# Altium PCB SAMR21_Xplained_Pro.PcbDoc (part 2 of 3)
Units mm, origin at the board's own origin, x right, y up, seen from the top; angles counter-clockwise.
Board outline 60 x 60 mm, 4 copper layers (Top Layer LF-signals, GND, POWER, Bottom Layer LF-signals), stack 1.602 mm thick; 154 components, 128 nets, 621 pads, 397 vias.
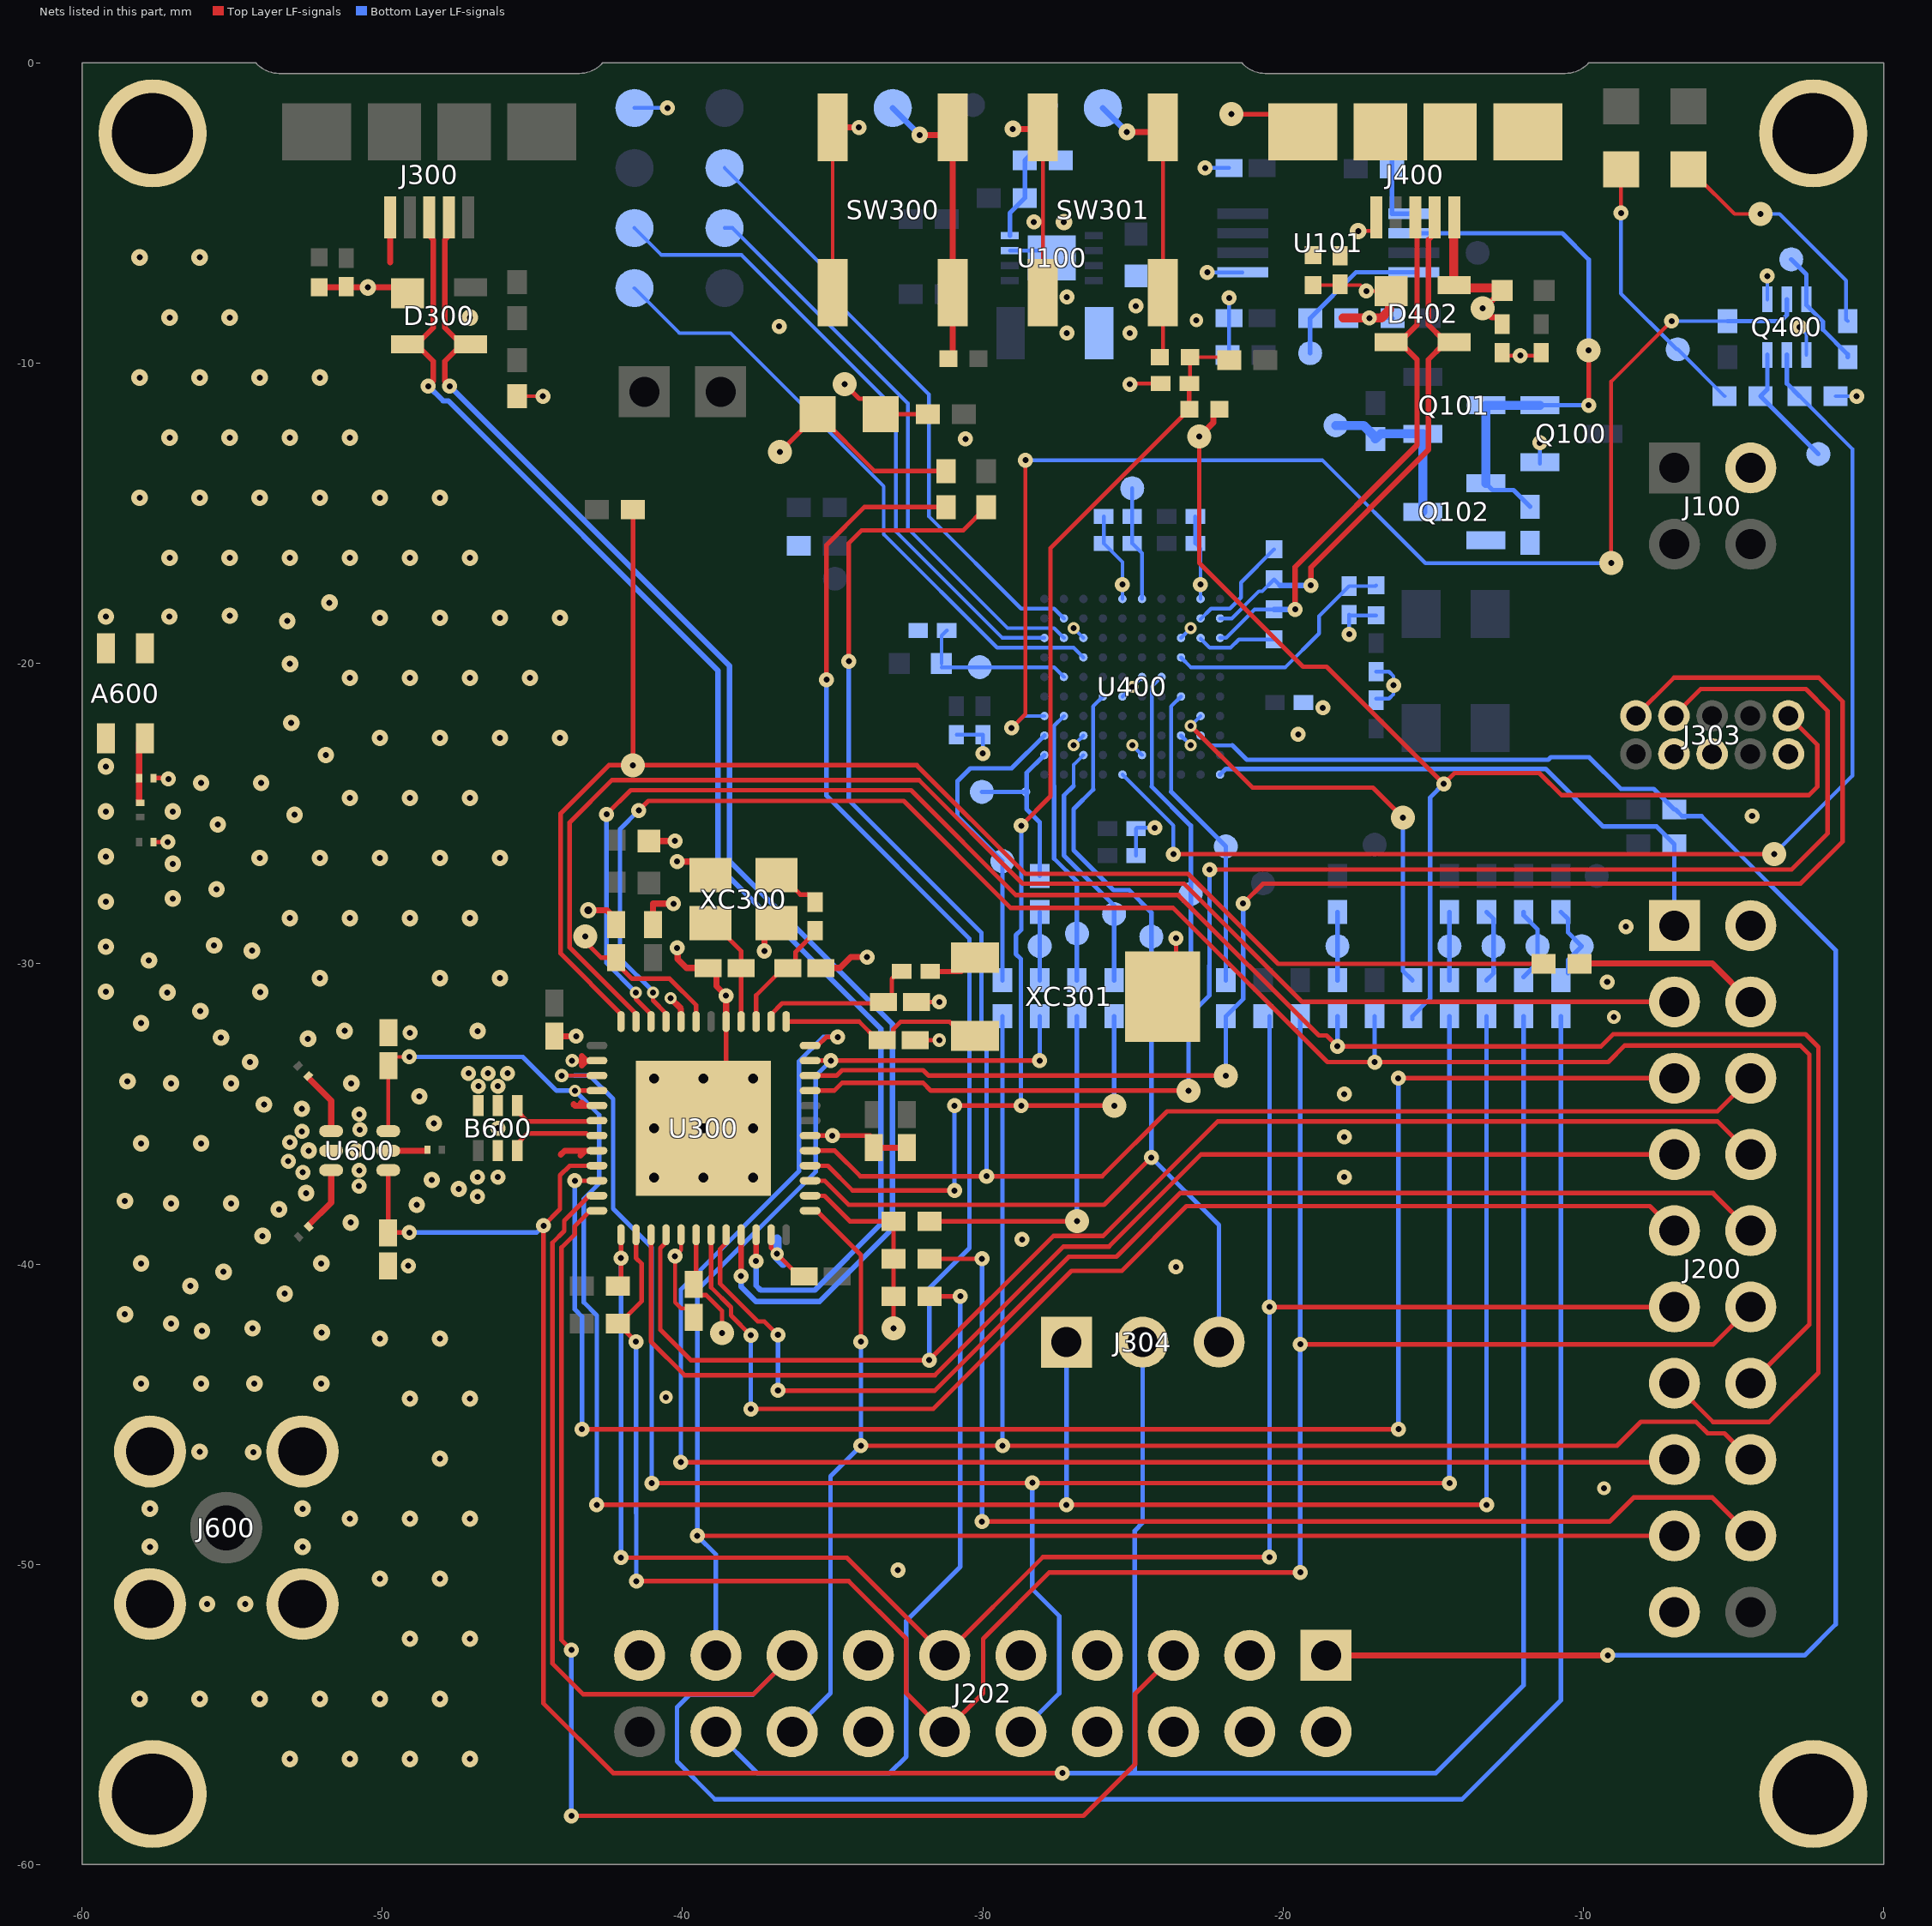
[diagram p4: the nets of this part, all layers, seen from the top]

## Via types
v1: diameter 0.5, hole 0.2, Top Layer LF-signals to Bottom Layer LF-signals, 155 vias
v2: diameter 0.55, hole 0.2, Top Layer LF-signals to Bottom Layer LF-signals, 108 vias
v3: diameter 0.55, hole 0.2, Top Layer LF-signals to Bottom Layer LF-signals, tented both sides, 50 vias
v4: diameter 0.5/0.8 (per signal layer), hole 0.2, Top Layer LF-signals to Bottom Layer LF-signals, tented top, 28 vias
v5: diameter 0.4, hole 0.2, Top Layer LF-signals to Bottom Layer LF-signals, 20 vias
v6: diameter 0.762, hole 0.33, Top Layer LF-signals to Bottom Layer LF-signals, tented top, 9 vias
v7: diameter 0.45, hole 0.2, Top Layer LF-signals to Bottom Layer LF-signals, 9 vias
v8: diameter 0.55, hole 0.2, Top Layer LF-signals to Bottom Layer LF-signals, tented top, 7 vias
v9: diameter 0.5, hole 0.2, Top Layer LF-signals to Bottom Layer LF-signals, tented both sides, 6 vias
v10: diameter 0.55, hole 0.25, Top Layer LF-signals to Bottom Layer LF-signals, tented both sides, 3 vias
v11: diameter 0.5, hole 0.2, Top Layer LF-signals to Bottom Layer LF-signals, tented top, 2 vias

## Nets (pads, with @x,y where several pads share a name; then routed paths per layer and width w, separated by ;. In a path a pad name is that pad's centre, name@x,y a point inside that pad or via, vN(x,y) a via of type N, cw(c..) or ccw(c..) an arc to the next point about the centre after c; other vN are vias at no path point) (continued)
EDBG_JTAG_TDI: TP403.1 U400.K8 | length 21.7
  Bottom Layer LF-signals w0.125: TP403.1@-41.6,-5.5 -40.7,-6.4 -38.034,-6.4 -32.9,-11.534 -32.9,-15.6 -29.35,-19.15 U400.K8@-27.95,-19.15
EDBG_JTAG_TDO: TP404.1 U400.J8 | length 19.4
  Bottom Layer LF-signals w0.125: TP404.1@-38.6,-5.5 -38.336,-5.5 -32.5,-11.336 -32.5,-15.5 -29.175,-18.825 -27.625,-18.825 U400.J8@-27.3,-19.15
EDBG_JTAG_TMS: TP405.1 U400.H7 | length 21
  Bottom Layer LF-signals w0.125: TP405.1@-41.6,-7.5 -40.1,-9 -38.4,-9 -33.3,-14.1 -33.3,-15.7 -29.525,-19.475 -26.975,-19.475 U400.H7@-26.65,-19.8
EDBG_RESET_N: TP406.1 U400.J9 | length 20.3
  Bottom Layer LF-signals w0.125: TP406.1@-38.6,-3.5 -35.075,-7.025 -35.075,-7.761 -31.8,-11.036 -31.8,-15.1 -28.725,-18.175 -27.625,-18.175 U400.J9@-27.3,-18.5
EDBG_SPI_DGI_MISO: pad.0@-28.571,-24.275 pad.0@-30.029,-24.275 R420.1 U400.K2 | length 5.9
  Bottom Layer LF-signals w0.15: pad.0@-30.029,-24.275 pad.0@-28.571,-24.275 ; R420.1@-28.106,-27.075 -28.106,-25.287 -28.542,-24.85 -28.542,-23.642 U400.K2@-27.95,-23.05
EDBG_SPI_DGI_MOSI: pad.0@-29.345,-26.585 R312.1 U400.K3 | length 10.8
  Bottom Layer LF-signals w0.15: R312.1@-29.345,-30.551 pad.0@-29.345,-26.585 -30.843,-25.087 -30.843,-23.917 -30.419,-23.492 -29.042,-23.492 U400.K3@-27.95,-22.4
EDBG_SPI_DGI_SCK: pad.0@-26.866,-28.994 R311.1 U400.J4 | length 9.2
  Bottom Layer LF-signals w0.125: -27.625,-24.081 -27.625,-22.075 U400.J4@-27.3,-21.75
  Bottom Layer LF-signals w0.15: -27.625,-24.081 -27.625,-26.499 -26.866,-27.258 R311.1@-26.866,-30.551
EDBG_SPI_DGI_SS: pad.0@-24.387,-29.098 R310.1 U400.G5 | length 11.2
  Bottom Layer LF-signals w0.125: -26.325,-24.2 -26.325,-21.425 U400.G5@-26,-21.1
  Bottom Layer LF-signals w0.15: -26.325,-24.2 -26.975,-24.85 -26.975,-26.222 -25.647,-27.55 -25.128,-27.55 -24.387,-28.291 pad.0@-24.387,-29.098 R310.1@-24.387,-30.551
EDBG_USB_FS_N: R421.2 U400.B9 | length 3.7
  Bottom Layer LF-signals w0.125: U400.B9@-22.751,-18.524 -22.402,-18.175 -21.775,-18.175 -21.4,-17.8 -21.4,-17.3 R421.2@-20.3,-16.2
EDBG_USB_FS_P: R422.2 U400.B8 | length 2.7
  Bottom Layer LF-signals w0.125: U400.B8@-22.751,-19.174 -22.448,-19.476 -21.751,-19.476 -21.475,-19.2 R422.2@-20.3,-19.2
EDBG_USB_HS_N: D402.3 J400.2 R421.1 U400.A9 | length 18.8
  Top Layer LF-signals w0.15: D402.3@-14.682,-9.4 -14.591,-9.309 D402.3@-14.582,-9.3
  Top Layer LF-signals w0.18: v1(-19.075,-17.4) -19.075,-16.799 -15.16,-12.884 -15.16,-9.878 D402.3@-14.682,-9.4 ; J400.2@-14.95,-5.15 -14.95,-5.68 -15.16,-5.89 -15.16,-8.722 D402.3@-14.682,-9.2
  Top Layer LF-signals w0.2: D402.3@-14.761,-9.4 -14.682,-9.4 D402.3@-14.5,-9.4 ; D402.3@-14.591,-9.309 D402.3@-14.5,-9.4 ; D402.3@-14.3,-9.3 D402.3@-14.4,-9.4 ; D402.3@-14.2,-9.4 D402.3@-14.4,-9.4 ; D402.3@-14.5,-9.4 D402.3@-14.4,-9.4
  Bottom Layer LF-signals w0.125: U400.A9@-22.1,-18.5 -21.71,-18.5 -20.805,-17.595 -20.695,-17.595 R421.1@-20.3,-17.2 R421.1@-20.1,-17.4
  Bottom Layer LF-signals w0.18: R421.1@-20.1,-17.4 v1(-19.075,-17.4)
EDBG_USB_HS_P: D402.2 J400.3 R422.1 U400.A8 | length 17.9
  Top Layer LF-signals w0.18: v1(-19.6,-18.2) -19.6,-16.787 -15.54,-12.727 -15.54,-9.878 D402.2@-16.018,-9.4 ; D402.2@-16.018,-9.2 -15.54,-8.722 J400.3@-15.54,-5.531
  Top Layer LF-signals w0.2: D402.2@-16.4,-9.3 D402.2@-16.01,-9.3
  Bottom Layer LF-signals w0.125: U400.A8@-22.1,-19.15 -21.9,-19.15 -20.95,-18.2 R422.1@-20.3,-18.2 ; v1@-19.7,-18.2 v1(-19.6,-18.2)
  Bottom Layer LF-signals w0.18: R422.1@-20.3,-18.2 v1(-19.6,-18.2)
GND: A600.2 A600.3 A600.4 B600.2 B600.5 B600.6 C100.2 C101.2 C102.2 C103.2 C300.1 C301.2 C302.1 C303.2 C304.2 C305.1 C306.2 C307.2 C308.2 C309.2 C310.2 C311.2 C312.2 C314.2 C400.2 C401.2 C402.2 C403.1 C404.2 C405.2 C406.2 C407.2 C408.2 C409.2 C410.2 C411.2 C412.2 C413.2 C414.2 C415.2 C600.1 C601.1 C605.2 C606.2 D300.1 D402.1 J100.2@-4.43,-13.49 J200.2@-4.43,-28.73 J200.19@-6.97,-51.59 J202.2@-18.57,-55.57 J202.19@-41.43,-53.03 J300.5 J303.3 J303.5 J303.9 J400.5 J600.2.1 J600.2.2 J600.2.3 J600.2.4 pad.666 Q100.1 Q102.2 Q400.1 Q400.4 R100.2 R104.1 R105.1 R106.1 R107.1 R110.1 R305.1 R330.1 R413.1 R423.1 R424.1 SW300.1 SW300.2 SW301.1 SW301.2 TP400.1 U100.7 U100.9 U101.5 U300.5 U300.8 U300.14 U300.17 U300.20 U300.29 U300.35 U300.42 U300.49 U400.B10 U400.C3 U400.C8 U400.E2 U400.E6 U400.F5 U400.F10 U400.H3 U400.H8 U600.2 XC300.2 XC300.4 XC301.3 | length 87.1
  Top Layer LF-signals w0.125: R330.1@-45.51,-11.1 v1(-44.65,-11.1) ; U300.29@-40.05,-39.025 -40.05,-39.535 v1(-40.25,-39.735) -40.25,-41.275 -40.05,-41.475 C304.2@-39.9,-41.475 ; SW300.1@-35,-7.65 SW300.2@-35,-2.15 ; SW301.1@-28,-7.65 SW301.2@-28,-2.15 ; v1(-25.1,-10.7) -25.075,-10.675 C301.2@-24.075,-10.675 ; R424.1@-19,-7.4 -17.425,-7.4 v1(-17.225,-7.6) D402.1@-16.4,-7.6 D402.1@-16.55,-7.45 ; v2(-17.5,-5.6) -17.5,-5.647 -17.547,-5.6 J400.5@-16.914,-5.6 ; C407.2@-12.8,-9.75 C408.2@-11.4,-9.75
  Top Layer LF-signals w0.15: C601.1@-57.612,-23.817 -57.148,-23.817 v11(-57.122,-23.843) ; C600.1@-57.609,-25.947 v11(-57.14,-25.947) ; v9@-49.134,-40.057 -49.236,-40.057 -49.13,-40.057 v9@-49.128,-40.059 ; v6(-39.3,-35.475) -38.55,-34.725 U300.5@-38.55,-31.925 ; U300.35@-37.05,-39.025 -37.05,-39.47 -36.106,-40.414 C303.2@-35.944,-40.414 ; U300.42@-35.75,-35.725 -33.75,-35.725 C314.2@-33.625,-35.85 ; C310.2@-32.25,-32.546 v7(-31.45,-32.546) ; C309.2@-32.203,-31.271 v1(-31.45,-31.271) ; XC301.3@-24.016,-31.096 -23.567,-30.647 v1(-23.567,-29.15)
  Top Layer LF-signals w0.2: R305.1@-52.1,-7.478 v8(-50.475,-7.478) -49.441,-7.478 D300.1@-49.4,-7.437 ; -49.734,-6.65 J300.5@-49.734,-5.15 ; v7(-43.675,-33.225) U300.14@-42.85,-33.225 U300.14@-43.193,-33.225 ; -43.4,-36.385 -43.239,-36.225 U300.20@-42.85,-36.225 ; -43.38,-34.63 -43.348,-34.628 -43.239,-34.725 U300.17@-42.85,-34.725 ; -43.35,-33.382 U300.14@-43.193,-33.225 ; -43.35,-33.068 U300.14@-43.193,-33.225 ; SW300.2@-35,-2.15 v1(-34.125,-2.15) ; v2(-29,-2.2) -28.05,-2.2 SW301.2@-28,-2.15
  Top Layer LF-signals w0.203: C308.2@-44.275,-32.489 C308.2@-44.191,-32.406 ; C308.2@-44.26,-32.413 v1(-43.542,-32.413) ; -44.058,-36.356 -43.927,-36.225 -43.239,-36.225 ; -43.63,-34.68 -43.585,-34.725 -43.239,-34.725 ; v10(-43.14,-28.216) -42.516,-28.216 -42.206,-28.525 C307.2@-42.206,-28.698 ; C306.2@-41.122,-25.912 v9(-40.25,-25.912) v9@-40.175,-25.838 ; C311.2@-40.979,-28.692 -40.979,-27.998 v9(-40.303,-27.998) ; v5(-40.396,-31.151) -40.05,-31.497 U300.8@-40.05,-31.925 ; v9@-40.25,-29.388 -40.164,-29.474 -40.164,-29.843 -39.867,-30.139 C305.1@-39.15,-30.139 -38.866,-30.139 -38.866,-30.746 v1(-38.55,-31.062) U300.5@-38.55,-31.925 ; v9@-40.18,-26.598 XC300.2@-39.579,-26.598 ; v1@-37.273,-29.575 -37.273,-29.049 XC300.4@-36.872,-28.648 XC300.4@-37.049,-28.648 ; C300.1@-35.394,-30.139 -34.756,-30.139 -34.395,-29.778 v1(-33.853,-29.778) ; C314.2@-33.625,-36.125 C312.2@-32.532,-36.125
  Top Layer LF-signals w0.3: -18,-8.5 v1(-17.125,-8.5) -16.738,-8.5 -16.462,-8.225 -16.462,-7.662 D402.1@-16.4,-7.6
  Bottom Layer LF-signals w0.125: TP400.1@-41.6,-1.5 v1(-40.5,-1.5) ; C414.2@-30.875,-22.375 C413.2@-30,-22.375 v1(-30,-23) ; U100.7@-29.1,-6.25 U100.9@-27.95,-6.25 ; v5(-26.975,-22.725) U400.H3@-26.65,-22.4 ; v5(-26.975,-18.825) U400.H8@-26.65,-19.15 ; C405.2@-25.975,-15.1 C406.2@-25.975,-16 -25.35,-16.625 U400.F10@-25.35,-17.85 ; U400.F5@-25.35,-21.1 v5(-25.025,-20.775) U400.E6@-24.7,-20.45 ; v5(-25.025,-22.725) U400.E2@-24.7,-23.05 ; C415.2@-24.9,-26.4 C412.2@-24.9,-25.5 ; C412.2@-24.875,-25.475 v1(-24.275,-25.475) ; U400.C3@-23.4,-22.4 v5(-23.075,-22.725) ; U400.C8@-23.4,-19.15 v5(-23.075,-18.825) ; C409.2@-22.925,-15.1 C410.2@-22.925,-16 -22.75,-16.175 U400.B10@-22.75,-17.85 ; v1(-22.6,-3.5) C102.2@-21.8,-3.5 ; v1(-22.525,-6.975) U101.5@-21.35,-6.975 ; R105.1@-21.85,-9.725 -21.8,-9.675 C103.2@-21.8,-8.5 v1(-21.8,-7.825) ; R106.1@-17.9,-8.5 v1(-17.125,-8.5) R104.1@-16.35,-8.5 ; v1(-17.8,-19.025) C402.2@-17.8,-18.375 -17.775,-18.4 R423.1@-16.9,-18.4 ; C400.2@-16.9,-21.175 -16.475,-21.175 -16.325,-21.025 -16.325,-20.425 -16.475,-20.275 C401.2@-16.9,-20.275 ; Q100.1@-11.45,-13.35 v1(-11.45,-12.65) ; Q400.1@-3.875,-7.875 v1(-3.875,-7.1) ; v1(-2.8,-8.8) -2.575,-9.025 Q400.4@-2.575,-9.725 ; R413.1@-1.6,-11.1 v1(-0.9,-11.1)
  Bottom Layer LF-signals w0.3: -36.85,-39.162 v7(-36.85,-39.661) -36.85,-39.77 -36.644,-39.975
  other v1: -32.829,-50.192 -23.567,-40.095 -28.691,-39.179 -46.825,-37.75 -50.775,-37.4 -46.825,-37.1 -46.15,-37.1 -17.962,-37.103 -52.644,-36.947 -50.767,-36.885 -53.128,-36.575 -50.85,-36.225 -53.077,-35.946 -17.962,-35.77 -35.014,-35.725 -52.674,-35.586 -50.746,-35.524 -46.15,-35.475 -50.767,-35.014 -17.962,-34.34 -46.8,-34.075 -46.15,-34.075 -47.125,-33.65 -46.475,-33.65 -45.825,-33.65 -9.208,-30.609 -37.275,-29.575 -8.58,-28.763 -4.382,-25.084 -19.497,-22.362 -18.675,-21.475 -16.325,-20.725 -25.35,-17.373 -22.756,-17.373 -30.575,-12.525 -12.1,-9.75 -27.2,-9 -25.1,-9 -36.781,-8.775 -24.9,-8.1 -27.2,-7.8 -28.3,-5.3
  other v2: -53.08,-56.48 -51.08,-56.48 -49.08,-56.48 -47.08,-56.48 -58.08,-54.48 -56.08,-54.48 -54.08,-54.48 -52.08,-54.48 -50.08,-54.48 -48.08,-54.48 -49.08,-52.48 -47.08,-52.48 -50.08,-50.48 -48.08,-50.48 -51.08,-48.48 -49.08,-48.48 -47.08,-48.48 -48.08,-46.48 -54.296,-46.264 -56.08,-46.254 -49.08,-44.48 -47.08,-44.48 -50.08,-42.48 -48.08,-42.48 -52.015,-42.276 -58.57,-41.674 -53.438,-38.179 -58.57,-37.899 -47.45,-37.5 -52.45,-36.225 -53.939,-34.684 -48.763,-34.419 -58.481,-33.917 -55.37,-32.457 -46.821,-32.241 -51.256,-32.236 -57.154,-30.953 -52.08,-30.48 -48.08,-30.48 -46.08,-30.48 -54.339,-29.567 -53.08,-28.48 -51.08,-28.48 -49.08,-28.48 -47.08,-28.48 -55.517,-27.517 -54.08,-26.48 -52.08,-26.48 -50.08,-26.48 -48.08,-26.48 -46.08,-26.48 -55.473,-25.364 -52.922,-25.04 -51.08,-24.48 -49.08,-24.48 -47.08,-24.48 -51.875,-23.049 -50.08,-22.48 -48.08,-22.48 -46.08,-22.48 -44.08,-22.48 -51.08,-20.48 -49.08,-20.48 -47.08,-20.48 -45.08,-20.48 -50.08,-18.48 -48.08,-18.48 -46.08,-18.48 -44.08,-18.48 -51.757,-17.977 -57.08,-16.48 -55.08,-16.48 -53.08,-16.48 -51.08,-16.48 -49.08,-16.48 -47.08,-16.48 -58.08,-14.48 -56.08,-14.48 -54.08,-14.48 -52.08,-14.48 -50.08,-14.48 -48.08,-14.48 -57.08,-12.48 -55.08,-12.48 -53.08,-12.48 -51.08,-12.48 -58.08,-10.48 -56.08,-10.48 -54.08,-10.48 -52.08,-10.48 -57.08,-8.48 -55.08,-8.48 -47.08,-8.48 -58.08,-6.48 -56.08,-6.48 -27.3,-5.3
  other v3: -58.03,-43.98 -56.03,-43.98 -54.255,-43.981 -52.03,-43.98 -56.007,-42.229 -54.319,-42.143 -57.03,-41.98 -53.251,-40.99 -56.391,-40.733 -55.284,-40.261 -58.03,-39.98 -52.03,-39.98 -53.986,-39.064 -51.051,-38.618 -48.85,-38.025 -57.03,-37.98 -55.03,-37.98 -52.535,-37.637 -48.352,-37.201 -58.03,-35.98 -56.03,-35.98 -48.278,-35.312 -52.674,-34.827 -57.03,-33.98 -55.03,-33.98 -51.03,-33.98 -54.398,-33.27 -52.473,-32.496 -58.03,-31.98 -56.056,-31.578 -54.059,-30.942 -59.2,-30.93 -57.767,-29.89 -59.2,-29.43 -55.597,-29.388 -59.2,-27.93 -56.974,-27.829 -56.974,-26.67 -59.2,-26.43 -59.2,-24.93 -56.974,-24.93 -56.03,-23.98 -54.03,-23.98 -59.2,-23.43 -53.03,-21.98 -53.072,-20.014 -53.164,-18.585 -59.2,-18.439 -57.09,-18.439 -55.074,-18.413
  other v6: -40.951,-37.126 -39.3,-37.126 -37.649,-37.126 -40.951,-35.475 -37.649,-35.475 -40.951,-33.824 -39.3,-33.824 -37.649,-33.824
  other v7: -9.314,-47.462 -40.55,-44.434 -8.988,-31.774 -22.889,-8.57
  other v8: -55.83,-51.32 -54.56,-51.32 -57.735,-49.415 -52.655,-49.415 -57.735,-48.145 -52.655,-48.145
  other v9: -49.134,-40.059 -49.075,-32.297 -40.181,-29.474 -40.178,-26.598
ID1: J200.1@-6.97,-28.73 R409.1 U400.A1 | length 19
  Bottom Layer LF-signals w0.15: U400.A1@-22.1,-23.7 -21.911,-23.511 -11.259,-23.511 -9.34,-25.43 -7.564,-25.43 R409.1@-6.976,-26.017 -6.976,-28.724 J200.1@-6.97,-28.73
ID3: J202.1@-18.57,-53.03 R401.1 U400.B3 | length 64
  Top Layer LF-signals w0.2: J202.1@-18.57,-53.03 v1(-9.188,-53.03)
  Bottom Layer LF-signals w0.125: U400.B3@-22.75,-22.4 -22.425,-22.725 -21.694,-22.725
  Bottom Layer LF-signals w0.15: -21.694,-22.725 -21.209,-23.21 -11.176,-23.21 -11.086,-23.121 -9.81,-23.121 -8.75,-24.181 -7.657,-24.181 R401.1@-6.976,-24.862 -6.931,-24.862 -6.71,-25.083 -6.067,-25.083 -1.6,-29.55 -1.6,-52 -2.63,-53.03 v1(-9.188,-53.03)
INPUT_VOLTAGE_DETECTED: Q100.2 Q101.3 Q102.1 R107.2 U101.2 | length 18.9
  Top Layer LF-signals w0.15: v1(-9.825,-11.4) v4(-9.825,-9.575)
  Bottom Layer LF-signals w0.15: U101.2@-15.65,-5.675 -10.701,-5.675 -9.825,-6.551 v4(-9.825,-9.575) ; Q102.1@-13.25,-14 -13.025,-14.225 -12.329,-14.225 R107.2@-11.775,-14.779 ; Q100.2@-11.45,-11.4 v1(-9.825,-11.4)
  Bottom Layer LF-signals w0.3: Q102.1@-13.25,-14 Q101.3@-13.25,-11.4 Q100.2@-11.45,-11.4
LED: D301.1 R301.2 | length 6.8
  Top Layer LF-signals w0.15: v4(-36.76,-12.96) D301.1@-35.5,-11.7 -33.608,-13.592 R301.2@-31.225,-13.592
NetA600_1: A600.1 C601.2 L600.1 | length 1.9
  Top Layer LF-signals w0.205: L600.1@-58.096,-24.602 A600.1@-58.096,-22.658
NetC402_1: C402.1 R423.2 U400.C7 | length 8.1
  Bottom Layer LF-signals w0.125: U400.C7@-23.4,-19.8 -23.075,-20.125 -19.925,-20.125 -18.8,-19 -18.8,-18.425 C402.1@-17.8,-17.425 -16.925,-17.425 R423.2@-16.9,-17.4
NetC404_1: C404.1 L402.2 pad.0@-30.105,-20.125 U400.J6 | length 5.4
  Bottom Layer LF-signals w0.125: L402.2@-31.375,-20.125 -27.625,-20.125 U400.J6@-27.3,-20.45 ; L402.2@-31.375,-20 -31.375,-19.075 C404.1@-31.2,-18.9
NetC405_1: C405.1 C406.1 pad.0@-25.025,-14.166 U400.E10 | length 3.8
  Bottom Layer LF-signals w0.125: pad.0@-25.025,-14.166 C405.1@-25.025,-15.1 C406.1@-25.025,-16 -24.7,-16.325 U400.E10@-24.7,-17.85
NetC407_1: C407.1 D402.4 J400.1 L401.1 | length 5.2
  Top Layer LF-signals w0.2: D402.4@-14.314,-7.386 D402.4@-14.2,-7.5 ; C407.1@-12.7,-8.7 -12.83,-8.57 -12.83,-8.478 -13.052,-8.478 v4(-13.36,-8.17) -13.295,-8.17 L401.1@-12.7,-7.575
  Top Layer LF-signals w0.3: D402.4@-14.314,-7.386 J400.1@-14.314,-5.672 ; D402.4@-14.2,-7.5 L401.1@-12.7,-7.5
NetC602_2: C602.2 U600.5 | length 1.2
  Top Layer LF-signals w0.205: U600.5@-49.7,-36.231 C602.2@-48.501,-36.231
NetC603_1: C603.1 U600.3 | length 2.2
  Top Layer LF-signals w0.205: C603.1@-52.46,-38.723 -52.46,-38.716 -51.7,-37.956 U600.3@-51.7,-36.875
NetC604_1: C604.1 U600.1 | length 2.1
  Top Layer LF-signals w0.205: C604.1@-52.454,-33.796 -52.454,-33.802 -51.7,-34.556 U600.1@-51.7,-35.575
NetD301_2: D301.2 R303.1 | length 3.3
  Top Layer LF-signals w0.15: v4(-34.6,-10.7) -34.112,-11.188 -33.654,-11.188 -33.4,-11.441 D301.2@-33.4,-11.7 R303.1@-31.825,-11.7
NetD400_1: D400.1 pad.0@-6.863,-9.538 R411.2 | length 9
  Top Layer LF-signals w0.125: v1(-8.75,-5) D400.1@-8.75,-3.55
  Bottom Layer LF-signals w0.125: v1(-8.75,-5) -8.75,-7.683 -6.896,-9.538 pad.0@-6.863,-9.538 R411.2@-5.3,-11.1
NetD401_1: D401.1 R412.2 | length 7.8
  Top Layer LF-signals w0.125: D401.1@-6.25,-3.75 -4.97,-5.03 v4(-4.1,-5.03)
  Bottom Layer LF-signals w0.125: v4(-4.1,-5.03) -3.47,-5.03 -1.25,-7.25 -1.25,-8.55 R412.2@-1.2,-8.6
NetJ200_4: J200.4@-4.43,-31.27 R332.2 | length 6.2
  Top Layer LF-signals w0.203: R332.2@-10.13,-29.993 -5.707,-29.993 J200.4@-4.43,-31.27
NetJ202_3: J202.3@-21.11,-53.03
NetJ202_4: J202.4@-21.11,-55.57
NetJ202_6: J202.6@-23.65,-55.57
NetJ202_7: J202.7@-26.19,-53.03
NetJ202_8: J202.8@-26.19,-55.57
NetJ202_9: J202.9@-28.73,-53.03
NetJ202_13: J202.13@-33.81,-53.03
NetJ202_14: J202.14@-33.81,-55.57
NetJ301_1: J301.1 XC301.1 | length 1.7
  Top Layer LF-signals w0.18: J301.1@-31.753,-30.258 -30.728,-30.258 XC301.1@-30.266,-29.796
NetJ302_1: J302.1 XC300.1 | length 1.6
  Top Layer LF-signals w0.15: XC300.1@-36.872,-27.048 -36.726,-27.048 -36.078,-27.695 -35.785,-27.695 J302.1@-35.586,-27.894
NetQ101_1: pad.0@-18.25,-12.071 Q101.1 Q102.3 R103.1 | length 5.8
  Bottom Layer LF-signals w0.3: pad.0@-18.25,-12.071 -17.325,-12.071 -16.925,-12.471 R103.1@-16.925,-12.525 -16.75,-12.35 Q101.1@-15.35,-12.35 Q102.3@-15.35,-14.95
NetQ400_3: pad.0@-3.08,-6.542 Q400.3 R412.1 | length 4
  Bottom Layer LF-signals w0.15: pad.0@-3.08,-6.542 -2.575,-7.047 Q400.3@-2.575,-7.875 -2.575,-8.064 -2.027,-8.612 -2.027,-8.881 -1.2,-9.708 R412.1@-1.2,-9.8
NetQ400_6: pad.0@-2.172,-13.028 Q400.6 R411.1 | length 4.2
  Bottom Layer LF-signals w0.15: Q400.6@-3.875,-9.725 -3.875,-10.875 R411.1@-4.1,-11.1 pad.0@-2.172,-13.028
NetR100_1: pad.0@-27.899,-1.416 R100.1 R102.2 U100.8 | length 4.8
  Bottom Layer LF-signals w0.15: U100.8@-29.1,-5.75 -29.1,-5 R102.2@-28.6,-4.5 R100.1@-28.6,-3.25 -27.899,-2.549 pad.0@-27.899,-1.416
NetR101_1: pad.0@-16.375,-2.236 R101.1 U101.1 | length 3.5
  Bottom Layer LF-signals w0.15: pad.0@-16.375,-2.236 R101.1@-16.375,-3.525 -16.375,-5.025 U101.1@-15.65,-5.025
NetR106_2: pad.0@-19.1,-9.666 R106.2 U101.4 | length 5.2
  Bottom Layer LF-signals w0.15: pad.0@-19.1,-9.666 R106.2@-19.1,-8.5 -17.575,-6.975 U101.4@-15.65,-6.975
NetR302_1: R302.1 SW300.3 SW300.4 TP300.1 | length 9.9
  Top Layer LF-signals w0.2: v2(-32.1,-2.4) SW300.4@-31.25,-2.4 ; R302.1@-31.15,-9.85 -31,-9.7 SW300.3@-31,-7.65 SW300.4@-31,-2.15
  Bottom Layer LF-signals w0.2: TP300.1@-33,-1.5 v2(-32.1,-2.4)
NetR304_1: R304.1 SW301.3 SW301.4 TP301.1 | length 9.9
  Top Layer LF-signals w0.125: R304.1@-24,-9.7 SW301.3@-24,-7.65 SW301.4@-24,-2.15
  Top Layer LF-signals w0.2: v2(-25.2,-2.3) -24.15,-2.3 SW301.4@-24,-2.15
  Bottom Layer LF-signals w0.2: TP301.1@-26,-1.5 v2(-25.2,-2.3)
NetR313_1: pad.0@-28.106,-29.411 R313.1 R420.2 | length 2.3
  Bottom Layer LF-signals w0.15: R313.1@-28.106,-30.551 R420.2@-28.106,-28.275
NetR317_1: pad.0@-18.19,-29.412 R317.1 R414.1 | length 2.3
  Bottom Layer LF-signals w0.15: R317.1@-18.19,-30.551 R414.1@-18.19,-28.275
NetR318_1: pad.0@-14.461,-29.412 R318.1 R416.1 | length 2.3
  Bottom Layer LF-signals w0.15: R318.1@-14.461,-30.55 R416.1@-14.461,-28.275
NetR319_1: pad.0@-12.993,-29.411 R319.1 R417.1 | length 2.5
  Bottom Layer LF-signals w0.15: R319.1@-13.225,-30.55 -12.993,-30.318 pad.0@-12.993,-29.411 -12.993,-28.507 R417.1@-13.225,-28.275
NetR320_1: pad.0@-11.525,-29.411 R320.1 R418.1 | length 2.5
  Bottom Layer LF-signals w0.15: R320.1@-11.989,-30.435 -11.525,-29.972 pad.0@-11.525,-29.414 ; R418.1@-11.989,-28.275 -11.989,-28.39 -11.525,-28.853 pad.0@-11.525,-29.411
NetR321_1: pad.0@-10.057,-29.414 R321.1 R419.1 | length 2.5
  Bottom Layer LF-signals w0.15: R419.1@-10.75,-28.275 -10.517,-28.508 -10.517,-28.953 pad.0@-10.057,-29.414 -10.517,-29.874 R321.1@-10.517,-30.32
PA00_XIN32: C310.1 U300.1 XC301.2 | length 7.1
  Top Layer LF-signals w0.15: U300.1@-36.55,-31.925 -34.124,-31.925 -33.502,-32.546 C310.1@-33.35,-32.546 -33.221,-32.546 -32.981,-32.307 -32.981,-32.175 -32.738,-31.931 -31.111,-31.931 -30.646,-32.396 XC301.2@-30.266,-32.396
PA01_XOUT32: C309.1 J301.2 U300.2 | length 5.5
  Top Layer LF-signals w0.15: U300.2@-37.05,-31.925 -37.05,-31.687 -36.683,-31.32 C309.1@-33.303,-31.32 ; C309.1@-33.303,-31.271 -33.028,-31.271 -33.028,-30.506 J301.2@-32.78,-30.258
PA04_S0_UART_TX: J200.14@-4.43,-43.97 R316.2 U300.9 | length 64.3
  Top Layer LF-signals w0.15: v1(-41.46,-24.896) -41.143,-24.58 -32.63,-24.58 -29.071,-28.139 -23.665,-28.139 -18.527,-33.277 v1(-16.95,-33.277) -9.176,-33.277 -8.625,-32.725 -2.775,-32.725 -2.475,-33.025 -2.475,-42.015 J200.14@-4.43,-43.97 ; v5(-40.986,-30.956) -40.986,-31.217 -40.55,-31.653 U300.9@-40.55,-31.925
  Bottom Layer LF-signals w0.15: v1(-41.46,-24.896) -42.079,-25.516 -42.079,-29.826 -40.986,-30.919 v5(-40.986,-30.956) ; v1(-16.95,-33.277) R316.2@-16.95,-31.751
PA05_S0_UART_RX: J200.13@-6.97,-43.97 R317.2 U300.10 | length 69.9
  Top Layer LF-signals w0.15: v1(-42.531,-25.021) -41.727,-24.217 -32.393,-24.217 -28.895,-27.715 -23.489,-27.715 -18.813,-32.391 -18.55,-32.391 v1(-18.19,-32.752) -9.413,-32.752 -9.006,-32.345 -2.603,-32.345 -2.175,-32.773 -2.175,-43.621 -3.815,-45.261 -5.679,-45.261 J200.13@-6.97,-43.97 ; v5(-41.55,-30.956) -41.55,-31.174 -41.05,-31.674 U300.10@-41.05,-31.925
  Bottom Layer LF-signals w0.15: v1(-42.531,-25.021) -42.531,-29.975 v5(-41.55,-30.956) ; v1(-18.19,-32.752) R317.2@-18.19,-31.751
PA06_ADC6: J200.3@-6.97,-31.27 U300.11 | length 48
  Top Layer LF-signals w0.15: U300.11@-41.55,-31.925 -41.55,-31.665 -43.758,-29.457 -43.758,-25.292 -42.35,-23.884 -32.125,-23.884 -28.674,-27.336 -23.299,-27.336 -19.365,-31.27 J200.3@-6.97,-31.27
PA07_ADC7: R329.2 R332.1 U300.12 | length 52.4
  Top Layer LF-signals w0.15: U300.12@-42.05,-31.925 -42.05,-31.67 -44.058,-29.662 -44.058,-24.992 -42.454,-23.388 v4(-41.649,-23.388) ; R329.2@-41.65,-14.874 v4(-41.649,-23.388) ; R332.1@-11.33,-30 -20.169,-30 -23.166,-27.004 -28.582,-27.004 -32.198,-23.388 v4(-41.649,-23.388)
PA08_GPIO: J202.10@-28.73,-55.57 R318.2 U300.15 | length 67.8
  Top Layer LF-signals w0.125: v7(-44.025,-33.725) U300.15@-42.85,-33.725
  Top Layer LF-signals w0.15: v1(-41.025,-47.295) v1(-14.461,-47.295)
  Bottom Layer LF-signals w0.125: v7(-44.025,-33.725) -43.586,-33.725
  Bottom Layer LF-signals w0.15: -43.586,-33.725 -43.091,-33.725 -42.313,-34.503 -42.313,-38.157 -41.025,-39.445 v1(-41.025,-47.295) ; J202.10@-28.73,-55.57 -27.455,-54.295 -27.455,-51.725 -28.352,-50.828 v1(-28.352,-47.284) ; v1(-14.461,-47.295) R318.2@-14.461,-31.75
PA09_RFCTRL1: C606.1 J304.1 R319.2 U300.16 U600.6 | length 75.9
  Top Layer LF-signals w0.125: U600.6@-49.8,-35.575 C606.1@-49.8,-33.401 ; C606.1@-49.796,-33.397 -49.796,-33.1 v1(-49.1,-33.1)
  Top Layer LF-signals w0.15: v5(-43.586,-34.225) U300.16@-42.85,-34.225 ; v1(-42.86,-48.017) v1(-13.225,-48.017)
  Bottom Layer LF-signals w0.125: v1@-49.12,-33.1 v1(-49.1,-33.1)
  Bottom Layer LF-signals w0.15: v1@-49.12,-33.1 -45.319,-33.1 -44.194,-34.225 v5(-43.586,-34.225) -42.775,-35.036 -42.775,-37.316 -43.286,-37.827 -43.286,-41.278 -42.854,-41.71 -42.854,-48.113 v1@-42.86,-48.113 ; v1(-27.215,-48.017) J304.1@-27.215,-42.6 ; v1(-13.225,-48.017) R319.2@-13.225,-31.75
PA12_RFCTRL2: C605.1 J304.2 R320.2 U300.21 U600.4 | length 98.1
  Top Layer LF-signals w0.15: C605.1@-49.808,-38.959 -49.8,-38.951 U600.4@-49.8,-36.875 ; C605.1@-49.799,-38.95 v1(-49.1,-38.95) ; U300.21@-42.85,-36.725 -43.758,-36.725 -44.08,-37.047 -44.08,-38.174 v1(-44.631,-38.725) -44.631,-54.629 -42.31,-56.95 v1(-27.35,-56.95)
  Bottom Layer LF-signals w0.15: v1@-49.15,-38.95 v1(-49.1,-38.95) -44.856,-38.95 v1(-44.631,-38.725) ; v1(-27.35,-56.95) -24.93,-56.95 ; J304.2@-24.675,-42.6 -24.675,-48.612 -24.939,-48.876 -24.939,-56.941 -24.93,-56.95 ; R320.2@-11.989,-31.75 -11.989,-54.023 -14.916,-56.95 -24.93,-56.95
PA13_GPIO: J200.5@-6.97,-33.81 U300.22 | length 57.1
  Top Layer LF-signals w0.15: v1(-43.586,-37.225) U300.22@-42.85,-37.225 ; v1(-43.348,-45.5) v1(-16.159,-45.5) ; v1(-16.161,-33.81) J200.5@-6.97,-33.81
  Bottom Layer LF-signals w0.15: v1(-43.586,-37.225) -43.586,-41.51 -43.348,-41.749 v1(-43.348,-45.5) ; v1@-16.161,-45.45 v1(-16.161,-33.81)
PA14_GPIO: J202.15@-36.35,-53.03 R321.2 U300.23 | length 85.7
  Top Layer LF-signals w0.15: U300.23@-42.85,-37.725 -43.106,-37.725 -43.939,-38.558 -43.939,-38.898 -44.331,-39.29 -44.331,-53.307 -43.313,-54.325 -37.645,-54.325 J202.15@-36.35,-53.03
  Bottom Layer LF-signals w0.15: J202.15@-36.35,-53.03 -37.662,-54.342 -39.766,-54.342 -40.181,-54.757 -40.181,-56.561 -38.918,-57.824 -14.042,-57.824 -10.753,-54.535 R321.2@-10.753,-31.75
PA15_GPIO: J202.5@-23.65,-53.03 U300.24 | length 44.3
  Top Layer LF-signals w0.15: v1(-43.7,-58.375) -26.65,-58.375 -24.925,-56.65 -24.925,-54.305 J202.5@-23.65,-53.03 ; v1(-43.7,-52.85) -44.031,-52.519 -44.031,-39.451 -43.59,-39.009 -43.59,-38.74 U300.24@-43.075,-38.225
  Bottom Layer LF-signals w0.15: v1(-43.7,-58.375) v1(-43.7,-52.85)
PA16_S1_I2C_SDA: J200.11@-6.97,-41.43 J202.11@-31.27,-53.03 R314.2 R326.2 U300.25 | length 67.6
  Top Layer LF-signals w0.15: v1(-42.05,-49.775) -34.525,-49.775 J202.11@-31.27,-53.03 -27.998,-49.758 v1(-20.452,-49.758) ; U300.25@-42.05,-39.025 v1(-42.05,-39.8) -42.05,-40.622 R326.2@-41.904,-40.768 ; v1(-20.452,-41.43) J200.11@-6.97,-41.43
  Bottom Layer LF-signals w0.15: v1(-42.05,-49.775) v1(-42.05,-39.8) ; v1(-20.452,-49.758) v1(-20.452,-41.43) R314.2@-20.452,-31.751
PA17_S1_I2C_SCL: J200.12@-4.43,-41.43 J202.12@-31.27,-55.57 R315.2 R327.2 U300.26 | length 74.8
  Top Layer LF-signals w0.15: v1(-41.55,-42.583) R327.2@-42.153,-41.98 -42.105,-41.98 -41.362,-41.237 -41.362,-39.988 -41.55,-39.8 U300.26@-41.55,-39.025 ; v1(-41.539,-50.557) -34.468,-50.557 -32.55,-52.475 -32.55,-54.29 J202.12@-31.27,-55.57 -29.99,-54.29 -29.99,-52.475 -27.786,-50.271 v1(-19.429,-50.271) ; v1(-19.429,-42.675) -5.675,-42.675 J200.12@-4.43,-41.43
  Bottom Layer LF-signals w0.15: v1(-41.55,-42.583) -41.55,-48.297 -41.539,-48.308 v1(-41.539,-50.557) ; v1(-19.429,-50.271) v1(-19.429,-42.675) R315.2@-19.429,-31.751
PA18_PWM_T0_W2: J200.7@-6.97,-36.35 U300.27 | length 41.1
  Top Layer LF-signals w0.15: U300.27@-41.05,-39.025 -41.05,-42.582 -39.932,-43.7 -31.596,-43.7 -27.314,-39.417 -25.799,-39.417 -22.732,-36.35 J200.7@-6.97,-36.35
PA19_PWM_T0_W3: J200.8@-4.43,-36.35 R301.1 U300.28 | length 77.9
  Top Layer LF-signals w0.15: U300.28@-40.55,-39.025 -40.55,-39.283 -40.738,-39.47 -40.738,-42.187 -39.725,-43.2 v1(-31.784,-43.199) ; v1(-35.206,-20.542) -35.206,-16.055 -33.942,-14.792 R301.1@-31.225,-14.792 ; v1(-31.784,-43.199) -27.649,-39.064 -25.994,-39.064 -22.18,-35.25 -5.53,-35.25 J200.8@-4.43,-36.35
  Bottom Layer LF-signals w0.15: v1(-35.206,-20.542) -35.206,-24.408 -30.446,-29.167 -30.446,-39.471 -31.784,-40.809 v1(-31.784,-43.199)
PA22_GPIO: J200.9@-6.97,-38.89 U300.31 | length 40
  Top Layer LF-signals w0.15: U300.31@-39.05,-39.025 -39.05,-40.775 -38.387,-41.438 -38.387,-41.713 v1(-37.725,-42.375) ; -37.462,-44.826 -31.653,-44.826 -27.051,-40.224 -25.372,-40.224 -23.218,-38.07 -7.79,-38.07 J200.9@-6.97,-38.89
  Bottom Layer LF-signals w0.15: v1(-37.725,-44.826) v1(-37.725,-42.375)
PA23_GPIO: J200.10@-4.43,-38.89 U300.32 | length 41.9
  Top Layer LF-signals w0.15: U300.32@-38.55,-39.025 -38.55,-39.299 -38.75,-39.499 -38.75,-40.651 -37.492,-41.909 -37.28,-41.909 v1@-36.83,-42.359 ; v1@-36.865,-42.359 v1@-36.83,-42.359 ; v1(-36.821,-44.208) -36.811,-44.218 -31.604,-44.218 -27.138,-39.752 -25.553,-39.752 -23.438,-37.637 -5.683,-37.637 J200.10@-4.43,-38.89 ; v1(-36.821,-42.359) v1@-36.83,-42.359
  Bottom Layer LF-signals w0.15: v1(-36.821,-44.208) v1(-36.821,-42.359)
PA27_GPIO: J304.3 R310.2 U300.39 | length 24.1
  Top Layer LF-signals w0.15: U300.39@-35.75,-37.225 -35.265,-37.225 -34.465,-38.025 -25.962,-38.025 v1(-24.387,-36.45)
  Bottom Layer LF-signals w0.15: R310.2@-24.387,-31.751 v1(-24.387,-36.45) -22.135,-38.702 J304.3@-22.135,-42.6
PA28_GPIO: J200.6@-4.43,-33.81 R306.1 U300.41 | length 61.1
  Top Layer LF-signals w0.15: U300.41@-35.75,-36.225 -34.929,-36.225 -34.079,-37.075 v1(-29.875,-37.075) -26.025,-37.075 -23.867,-34.917 -5.537,-34.917 J200.6@-4.43,-33.81 ; v1(-34.464,-19.928) -34.464,-15.993 -34.038,-15.567 -30.654,-15.567 R306.1@-29.887,-14.8
  Bottom Layer LF-signals w0.15: v1(-34.464,-19.928) -34.464,-24.546 -30.044,-28.966 -30.044,-32.705 -29.875,-32.874 v1(-29.875,-37.075)
PA30_SWDCLK: J303.4 R323.2 U300.45 | length 51.4
  Top Layer LF-signals w0.15: U300.45@-35.75,-34.225 -34.949,-34.225 -34.69,-33.966 -31.989,-33.966 -31.73,-34.225 v4@-23.148,-34.225 ; v1(-22.45,-26.863) -3.068,-26.863 -1.867,-25.662 -1.867,-21.582 -2.594,-20.855 -6.093,-20.855 J303.4@-6.983,-21.745
  Bottom Layer LF-signals w0.15: v4(-23.148,-34.223) R323.2@-23.148,-31.751 -22.45,-31.053 ; -22.45,-31.052 -22.458,-31.044 -22.458,-30.058 -22.45,-30.05 v1(-22.45,-26.863)
PA31_SWDIO: J303.2 R322.2 U300.46 | length 53.2
  Top Layer LF-signals w0.15: U300.46@-35.75,-33.725 -34.873,-33.725 -34.691,-33.543 -31.988,-33.543 -31.806,-33.725 v4(-21.908,-33.725) ; v1(-21.331,-27.993) -20.67,-27.332 -2.772,-27.332 -1.369,-25.93 -1.369,-21.268 -2.166,-20.472 -6.98,-20.472 J303.2@-8.253,-21.745
  Bottom Layer LF-signals w0.15: v4(-21.908,-33.725) R322.2@-21.908,-31.751 -21.331,-31.174 v1(-21.331,-27.993)
PB02_S5_SPI_MISO: J200.17@-6.97,-49.05 J202.17@-38.89,-53.03 R313.2 U300.47 | length 63.6
  Top Layer LF-signals w0.15: v1(-39.508,-49.05) J200.17@-6.97,-49.05 ; U300.47@-35.75,-33.225 v1(-35.062,-33.225) v1(-28.106,-33.225)
  Bottom Layer LF-signals w0.15: J202.17@-38.89,-53.03 -38.89,-49.668 v1(-39.508,-49.05) -39.508,-40.866 -35.566,-36.923 -35.566,-33.729 v1(-35.062,-33.225) ; v1(-28.106,-33.225) R313.2@-28.106,-31.751
PB03_S5_SPI_SS: J200.15@-6.97,-46.51 U300.48 | length 50.8
  Top Layer LF-signals w0.15: v1(-40.058,-46.6) -7.06,-46.6 J200.15@-6.97,-46.51 ; U300.48@-35.75,-32.725 U300.48@-35.502,-32.725 ; U300.48@-35.493,-32.725 U300.48@-35.502,-32.725 ; v1(-34.833,-32.441) -35.217,-32.441 U300.48@-35.502,-32.725
  Bottom Layer LF-signals w0.15: v1@-40.058,-46.592 -40.058,-40.848 -36.125,-36.915 -36.125,-33.251 -35.315,-32.441 v1(-34.833,-32.441)
PB22_S5_SPI_MOSI: J200.16@-4.43,-46.51 J202.16@-36.35,-55.57 R312.2 U300.37 | length 63.9
  Top Layer LF-signals w0.15: U300.37@-35.75,-38.225 U300.37@-35.533,-38.225 ; U300.37@-35.525,-38.225 U300.37@-35.533,-38.225 ; v1(-34.06,-46.05) -8.882,-46.05 -8.082,-45.25 -6.254,-45.25 -5.864,-45.64 -5.3,-45.64 J200.16@-4.43,-46.51 ; v1(-34.06,-42.589) -34.06,-39.698 U300.37@-35.533,-38.225
  Bottom Layer LF-signals w0.15: J202.16@-36.35,-55.57 -35.072,-54.292 -35.072,-47.063 v1(-34.06,-46.05) v1(-34.06,-42.589) ; v1(-29.345,-46.05) R312.2@-29.345,-31.751
PB23_S5_SPI_SCK: R307.1 R308.1 R309.1 U300.38 | length 6.7
  Top Layer LF-signals w0.15: U300.38@-35.75,-37.725 -35.275,-37.725 -34.425,-38.575 R309.1@-32.975,-38.575 R307.1@-32.975,-39.825 R308.1@-32.975,-41.075 v4(-32.975,-42.137)
PB23_S5_SPI_SCK_EDBG: R309.2 R311.2 | length 11.7
  Top Layer LF-signals w0.15: R309.2@-31.775,-38.575 v4(-26.866,-38.575)
  Bottom Layer LF-signals w0.15: v4(-26.866,-38.575) R311.2@-26.866,-31.751
PB23_S5_SPI_SCK_EXT1: J200.18@-4.43,-49.05 R307.2 | length 37
  Top Layer LF-signals w0.15: R307.2@-31.775,-39.825 v1(-30.025,-39.825) ; v1(-30.025,-48.575) -9.131,-48.575 -8.331,-47.775 -5.705,-47.775 J200.18@-4.43,-49.05
  Bottom Layer LF-signals w0.15: v1@-30.025,-48.611 v1(-30.025,-48.575) v1(-30.025,-39.825)
PB23_S5_SPI_SCK_EXT3: J202.18@-38.89,-55.57 R308.2 | length 24.2
  Top Layer LF-signals w0.15: R308.2@-31.775,-41.075 v1(-30.75,-41.075)
  Bottom Layer LF-signals w0.15: J202.18@-38.89,-55.57 -37.51,-56.95 -33.1,-56.95 -32.55,-56.4 -32.55,-51.875 -30.75,-50.075 v1(-30.75,-41.075)
POWER_LED_CTRL: Q400.2 R410.1 U400.K4 | length 44.6
  Top Layer LF-signals w0.125: v1(-29.042,-22.15) -28.582,-21.689 v1@-28.582,-13.261 ; v4(-9.075,-16.65) -9.075,-10.611 v1(-7.064,-8.6)
  Bottom Layer LF-signals w0.125: v1(-29.042,-22.15) -28.642,-21.75 U400.K4@-27.95,-21.75 ; v1(-28.582,-13.23) -18.695,-13.23 -15.262,-16.663 -9.088,-16.663 v4(-9.075,-16.65) ; v1(-7.064,-8.6) R410.1@-5.2,-8.6
  Bottom Layer LF-signals w0.15: R410.1@-5.2,-8.6 -3.425,-8.6 -3.225,-8.4 Q400.2@-3.225,-7.875
R\E\S\E\T\: C301.1 R300.1 R304.2 R325.1 R331.2 U300.40 | length 44.7
  Top Layer LF-signals w0.125: C301.1@-23.1,-10.65 R304.2@-23.1,-9.8 R300.1@-21.9,-9.8
  Top Layer LF-signals w0.15: U300.40@-35.75,-36.725 -35.16,-36.725 -34.335,-37.55 v1(-30.942,-37.55) ; v1(-30.942,-34.725) v1(-28.725,-34.725) v4(-25.621,-34.725) ; v1(-28.725,-25.401) -27.746,-24.422 -27.746,-16.161 R331.2@-23.12,-11.535 ; R331.2@-23.125,-11.392 C301.1@-23.125,-10.675 C301.1@-23.1,-10.65
  Bottom Layer LF-signals w0.15: v1(-30.942,-37.55) v1(-30.942,-34.725) ; v1@-28.735,-34.725 -28.735,-29.838 -28.9,-29.673 -28.9,-29.05 -28.72,-28.87 -28.72,-25.406 v1(-28.725,-25.401) ; v4@-25.627,-34.725 R325.1@-25.627,-31.751
RF233_AVDDOUT: C307.1 U300.7 | length 5.4
  Top Layer LF-signals w0.15: v4(-43.239,-29.088) -43.239,-29.266 -42.708,-29.798 C307.1@-42.206,-29.798 -42.206,-29.974 -41.682,-30.498 -40.427,-30.498 -39.55,-31.375 U300.7@-39.55,-31.925
RF233_DVVDOUT: C304.1 U300.30 | length 3.5
  Top Layer LF-signals w0.15: C304.1@-39.625,-40.675 -39.418,-40.882 -39.418,-40.985 -39.37,-41.033 -39.216,-41.033 -38.687,-41.562 v4(-38.687,-42.298) ; C304.1@-39.615,-40.35 -39.55,-40.285 U300.30@-39.55,-39.025
RF233_XTAL1: C305.2 U300.4 XC300.3 | length 3.8
  Top Layer LF-signals w0.15: XC300.3@-39.072,-28.648 -38.974,-28.648 -38.05,-29.572 C305.2@-38.05,-30.139 U300.4@-38.05,-31.925
RF233_XTAL2: C300.2 J302.2 U300.3 | length 3.9
  Top Layer LF-signals w0.15: U300.3@-37.55,-31.925 -37.55,-31.052 -36.637,-30.139 C300.2@-36.494,-30.139 -36.233,-29.879 -36.233,-29.602 -35.586,-28.955 J302.2@-35.586,-28.896
RF_N: B600.3 U300.19 | length 3.1
  Top Layer LF-signals w0.15: B600.3@-45.5,-36.225 B600.3@-45.5,-35.975 ; B600.3@-45.5,-35.983 -45.167,-35.65 -43.197,-35.65 -43.122,-35.725 U300.19@-42.85,-35.725
RF_P: B600.4 U300.18 | length 3
  Top Layer LF-signals w0.15: B600.4@-45.5,-34.725 -45.5,-34.917 -45.167,-35.25 -42.875,-35.25 U300.18@-42.85,-35.225
SHIELD: C403.2 J400.6 J400.7 J400.8 J400.9 R424.2 | length 2
  Top Layer LF-signals w0.15: v4(-21.725,-1.71) J400.9@-19.721,-1.71
STATUS_LED_CTRL: Q400.5 R413.2 U400.F1 | length 42
  Top Layer LF-signals w0.15: v1(-23.653,-26.351) v4(-3.651,-26.351)
  Bottom Layer LF-signals w0.125: U400.F1@-25.35,-23.7 -23.653,-25.397 v1(-23.653,-26.351) ; v4(-3.651,-26.351) -1.046,-23.746 -1.046,-12.854 R413.2@-2.8,-11.1
  Bottom Layer LF-signals w0.15: Q400.5@-3.225,-9.725 -3.225,-10.675 R413.2@-2.8,-11.1
SWCLK: pad.0@-23.075,-27.67 R323.1 U400.D6 | length 10.8
  Bottom Layer LF-signals w0.125: -24.375,-24.101 -24.375,-20.775 U400.D6@-24.05,-20.45
  Bottom Layer LF-signals w0.15: -24.375,-24.101 -23.075,-25.401 R323.1@-23.075,-30.551
SWDIO: pad.0@-21.908,-26.09 R322.1 U400.C5 | length 10.3
  Bottom Layer LF-signals w0.125: -23.725,-24.273 -23.725,-21.425 U400.C5@-23.4,-21.1
  Bottom Layer LF-signals w0.15: -23.725,-24.273 pad.0@-21.908,-26.09 R322.1@-21.908,-30.551
TARGET_RESET: J303.10 R324.2 R331.1 | length 40.6
  Top Layer LF-signals w0.15: v4(-22.791,-12.448) -22.791,-16.655 -19.339,-20.108 -18.553,-20.108 v1(-14.65,-24.01) -14.289,-23.648 -11.467,-23.648 -10.732,-24.384 -2.487,-24.384 -2.212,-24.108 -2.212,-22.707 J303.10@-3.173,-21.745
  Top Layer LF-signals w0.203: v4(-22.791,-12.448) -22.319,-11.976 -22.319,-11.734 R331.1@-22.12,-11.535
  Bottom Layer LF-signals w0.15: R324.2@-15.7,-31.841 R324.2@-15.7,-31.751 -15.103,-31.154 -15.103,-24.463 v1(-14.65,-24.01)
TARGET_RESET_EDBG: R324.1 U400.B4 | length 14.3
  Top Layer LF-signals w0.15: v5(-23.075,-22.075) -21.014,-24.136 -17.014,-24.136 v4(-16.012,-25.137)
  Bottom Layer LF-signals w0.125: v5(-23.075,-22.075) U400.B4@-22.75,-21.75
  Bottom Layer LF-signals w0.15: v4(-16.012,-25.137) -16.012,-30.238 R324.1@-15.7,-30.551
TARGET_RESET_SENSE: pad.0@-25.628,-28.348 R325.2 U400.H2 | length 8.5
  Bottom Layer LF-signals w0.125: -26.975,-24.076 -26.975,-23.375 U400.H2@-26.65,-23.05
  Bottom Layer LF-signals w0.15: -26.975,-24.076 -27.3,-24.401 -27.3,-26.389 -25.628,-28.06 pad.0@-25.628,-28.348 R325.2@-25.627,-30.551 R325.2@-25.627,-30.551
TARGET_USB_N: D300.3 J300.2 U300.33 | length 48
  Top Layer LF-signals w0.15: D300.3@-47.341,-9.378 D300.3@-47.059,-9.378
  Top Layer LF-signals w0.18: J300.2@-47.784,-5.76 -47.919,-5.895 -47.919,-8.818 D300.3@-47.359,-9.378 ; v1(-47.752,-10.764) -47.919,-10.597 -47.919,-9.938 D300.3@-47.359,-9.378 ; D300.3@-47.341,-9.378 D300.3@-47.359,-9.378 ; v1(-38.05,-40.4) U300.33@-38.05,-39.025
  Bottom Layer LF-signals w0.18: v1(-47.752,-10.764) -38.437,-20.08 -38.437,-26.584 -33.011,-32.01 -33.011,-38.825 -35.435,-41.249 -37.557,-41.249 -38.05,-40.755 v1(-38.05,-40.4)
TARGET_USB_P: D300.2 J300.3 U300.34 | length 47.9
  Top Layer LF-signals w0.114: D300.2@-48.98,-9.378 -48.859,-9.378 D300.2@-48.793,-9.378 ; D300.2@-48.8,-9.144 -48.746,-9.144 D300.2@-48.704,-9.144
  Top Layer LF-signals w0.15: D300.2@-48.996,-9.394 -48.98,-9.378 D300.2@-48.746,-9.144
  Top Layer LF-signals w0.18: v1(-48.466,-10.764) -48.299,-10.597 -48.299,-9.938 -48.859,-9.378 -48.299,-8.818 -48.299,-5.895 -48.434,-5.76 J300.3@-48.434,-5.15 ; v1(-37.55,-39.9) U300.34@-37.55,-39.025
  Bottom Layer LF-signals w0.18: v1(-48.466,-10.764) -47.976,-11.254 -47.8,-11.254 -38.817,-20.237 -38.817,-26.742 -33.391,-32.168 -33.391,-38.667 -35.592,-40.869 -37.399,-40.869 -37.55,-40.718 v1(-37.55,-39.9)